# Altium PCB 10515.0501_主板(8拼版)_V1.0-20200907.PcbDoc (part 1 of 6)
Units mm, origin at the board's own origin, x right, y up, seen from the top; angles counter-clockwise.
Board outline 229.4 x 126.82 mm, 2 copper layers (Top Layer, Bottom Layer); 560 components, 0 nets, 2350 pads, 1248 vias.
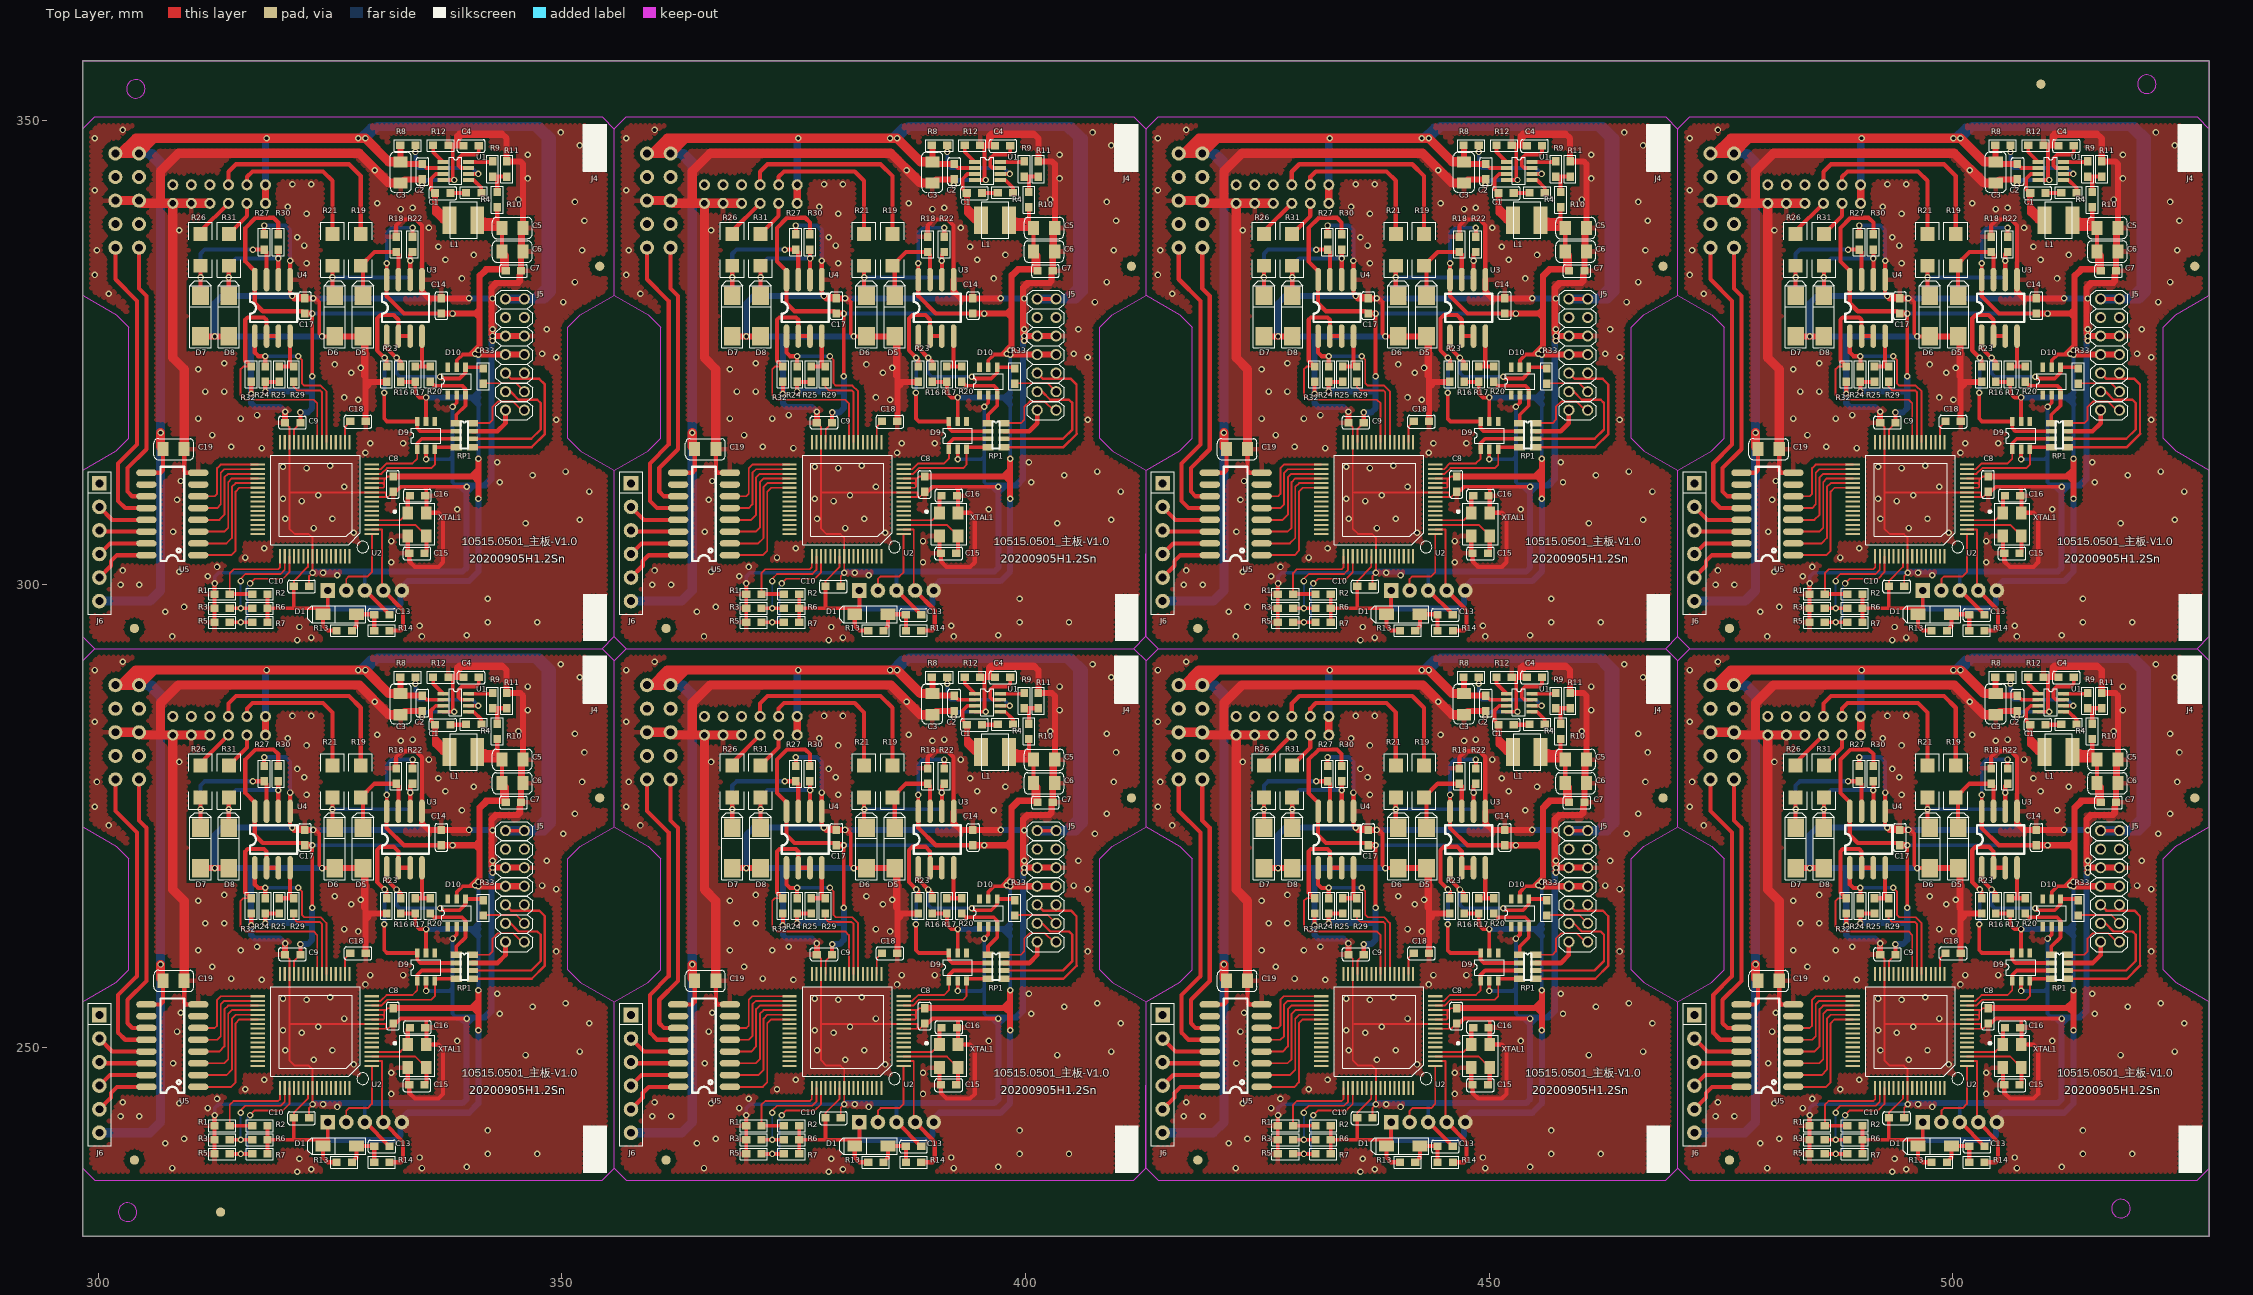
[diagram p0: Top Layer view]
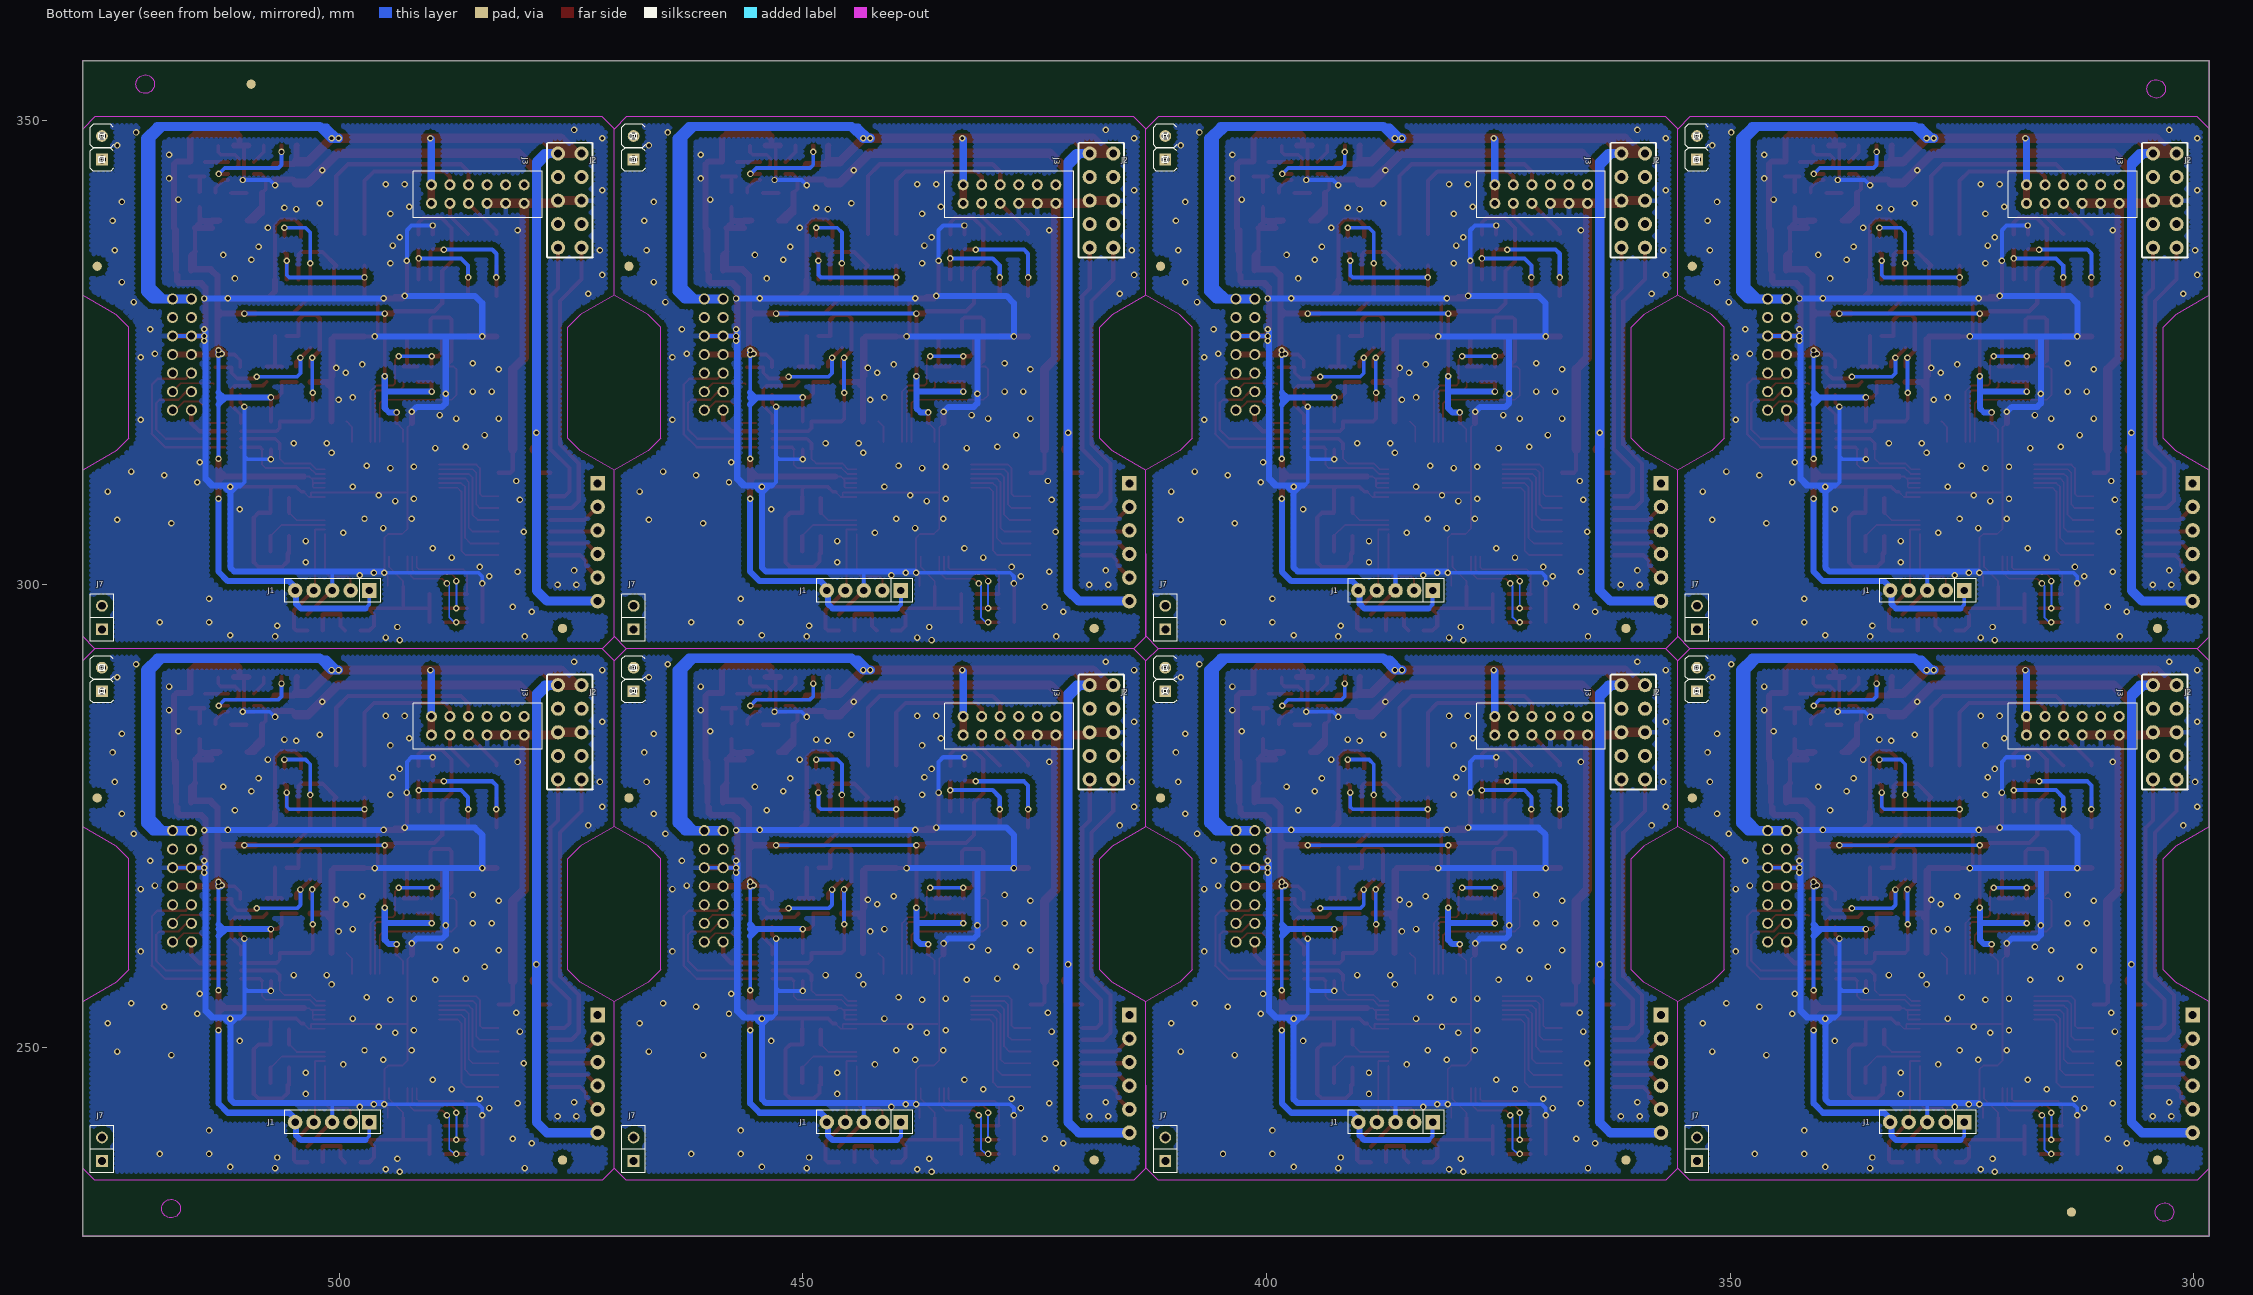
[diagram p1: Bottom Layer view, seen from below]

## Layer stack, top to bottom
Top Layer: signal copper 0.0356
Dielectric: dielectric 0.32, FR-4, Dk 4.8
Bottom Layer: signal copper 0.0356

## Board outline
298.301,356.489 527.703,356.489 527.7,229.665 298.299,229.665 298.301,356.489

## Design rules (kind name [scope] priority, off if disabled: settings)
Clearance [All] p1: gap=0.254
PolygonConnect [All] p1: connectstyle=Relief reliefconductorwidth=0.254 reliefentries=4 polygonreliefangle="90 Angle"
RoutingVias [All] p1: holewidth=0.711 width=1.27 viastyle="Through Hole" minholewidth=0.711 minwidth=1.27 maxholewidth=0.711 maxwidth=1.27
SilkscreenOverComponentPads [All] p1: minsilkscreentomaskgap=0.254
SolderMaskExpansion [All] p1: expansion=0.102
Width [All] p1: maxlimit=0.254 minlimit=0.254 preferedwidth=0.254
27 further rules are at their usual default settings.

## Components (designator, comment, footprint, x,y, rotation, side; value= is the part's Value field where it differs from the comment)
C1 "0.1uF/0603" CAP/SMT/0603C 337.947,342.259 r180 top
C1 "0.1uF/0603" CAP/SMT/0603C 395.297,342.259 r180 top
C1 "0.1uF/0603" CAP/SMT/0603C 452.647,342.259 r180 top
C1 "0.1uF/0603" CAP/SMT/0603C 509.997,342.259 r180 top
C1 "0.1uF/0603" CAP/SMT/0603C 337.947,284.909 r180 top
C1 "0.1uF/0603" CAP/SMT/0603C 395.297,284.909 r180 top
C1 "0.1uF/0603" CAP/SMT/0603C 452.647,284.909 r180 top
C1 "0.1uF/0603" CAP/SMT/0603C 509.997,284.909 r180 top
C2 "0.1uF/0603" CAP/SMT/0603C 334.899,345.307 r270 top
C2 "0.1uF/0603" CAP/SMT/0603C 392.249,345.307 r270 top
C2 "0.1uF/0603" CAP/SMT/0603C 449.599,345.307 r270 top
C2 "0.1uF/0603" CAP/SMT/0603C 506.949,345.307 r270 top
C2 "0.1uF/0603" CAP/SMT/0603C 334.899,287.957 r270 top
C2 "0.1uF/0603" CAP/SMT/0603C 392.249,287.957 r270 top
C2 "0.1uF/0603" CAP/SMT/0603C 449.599,287.957 r270 top
C2 "0.1uF/0603" CAP/SMT/0603C 506.949,287.957 r270 top
C3 "22uF/0805" CAP/SMT/0805C 332.613,343.275 r90 top
C3 "22uF/0805" CAP/SMT/0805C 389.963,343.275 r90 top
C3 "22uF/0805" CAP/SMT/0805C 447.313,343.275 r90 top
C3 "22uF/0805" CAP/SMT/0805C 504.663,343.275 r90 top
C3 "22uF/0805" CAP/SMT/0805C 332.613,285.925 r90 top
C3 "22uF/0805" CAP/SMT/0805C 389.963,285.925 r90 top
C3 "22uF/0805" CAP/SMT/0805C 447.313,285.925 r90 top
C3 "22uF/0805" CAP/SMT/0805C 504.663,285.925 r90 top
C4 "1nF/0603" CAP/SMT/0603C 340.995,347.362 r180 top
C4 "1nF/0603" CAP/SMT/0603C 398.345,347.362 r180 top
C4 "1nF/0603" CAP/SMT/0603C 455.695,347.362 r180 top
C4 "1nF/0603" CAP/SMT/0603C 513.045,347.362 r180 top
C4 "1nF/0603" CAP/SMT/0603C 340.995,290.012 r180 top
C4 "1nF/0603" CAP/SMT/0603C 398.345,290.012 r180 top
C4 "1nF/0603" CAP/SMT/0603C 455.695,290.012 r180 top
C4 "1nF/0603" CAP/SMT/0603C 513.045,290.012 r180 top
C5 "22uF/0805" CAP/SMT/0805C 345.821,338.449 r180 top
C5 "22uF/0805" CAP/SMT/0805C 403.171,338.449 r180 top
C5 "22uF/0805" CAP/SMT/0805C 460.521,338.449 r180 top
C5 "22uF/0805" CAP/SMT/0805C 517.871,338.449 r180 top
C5 "22uF/0805" CAP/SMT/0805C 345.821,281.099 r180 top
C5 "22uF/0805" CAP/SMT/0805C 403.171,281.099 r180 top
C5 "22uF/0805" CAP/SMT/0805C 460.521,281.099 r180 top
C5 "22uF/0805" CAP/SMT/0805C 517.871,281.099 r180 top
C6 "22uF/0805" CAP/SMT/0805C 345.821,335.909 r180 top
C6 "22uF/0805" CAP/SMT/0805C 403.171,335.909 r180 top
C6 "22uF/0805" CAP/SMT/0805C 460.521,335.909 r180 top
C6 "22uF/0805" CAP/SMT/0805C 517.871,335.909 r180 top
C6 "22uF/0805" CAP/SMT/0805C 345.821,278.559 r180 top
C6 "22uF/0805" CAP/SMT/0805C 403.171,278.559 r180 top
C6 "22uF/0805" CAP/SMT/0805C 460.521,278.559 r180 top
C6 "22uF/0805" CAP/SMT/0805C 517.871,278.559 r180 top
C7 "0.1uF/0603" CAP/SMT/0603C 345.567,333.877 r180 top
C7 "0.1uF/0603" CAP/SMT/0603C 402.917,333.877 r180 top
C7 "0.1uF/0603" CAP/SMT/0603C 460.267,333.877 r180 top
C7 "0.1uF/0603" CAP/SMT/0603C 517.617,333.877 r180 top
C7 "0.1uF/0603" CAP/SMT/0603C 345.567,276.527 r180 top
C7 "0.1uF/0603" CAP/SMT/0603C 402.917,276.527 r180 top
C7 "0.1uF/0603" CAP/SMT/0603C 460.267,276.527 r180 top
C7 "0.1uF/0603" CAP/SMT/0603C 517.617,276.527 r180 top
C8 "0.1uF/0603" CAP/SMT/0603C 331.851,310.001 r90 top
C8 "0.1uF/0603" CAP/SMT/0603C 389.201,310.001 r90 top
C8 "0.1uF/0603" CAP/SMT/0603C 446.551,310.001 r90 top
C8 "0.1uF/0603" CAP/SMT/0603C 503.901,310.001 r90 top
C8 "0.1uF/0603" CAP/SMT/0603C 331.851,252.651 r90 top
C8 "0.1uF/0603" CAP/SMT/0603C 389.201,252.651 r90 top
C8 "0.1uF/0603" CAP/SMT/0603C 446.551,252.651 r90 top
C8 "0.1uF/0603" CAP/SMT/0603C 503.901,252.651 r90 top
C9 "0.1uF/0603" CAP/SMT/0603C 320.167,317.367 r0 top
C9 "0.1uF/0603" CAP/SMT/0603C 377.517,317.367 r0 top
C9 "0.1uF/0603" CAP/SMT/0603C 434.867,317.367 r0 top
C9 "0.1uF/0603" CAP/SMT/0603C 492.217,317.367 r0 top
C9 "0.1uF/0603" CAP/SMT/0603C 320.167,260.017 r0 top
C9 "0.1uF/0603" CAP/SMT/0603C 377.517,260.017 r0 top
C9 "0.1uF/0603" CAP/SMT/0603C 434.867,260.017 r0 top
C9 "0.1uF/0603" CAP/SMT/0603C 492.217,260.017 r0 top
C10 "1uF/0603" CAP/SMT/0603C 322.707,299.841 r180 top
C10 "1uF/0603" CAP/SMT/0603C 380.057,299.841 r180 top
C10 "1uF/0603" CAP/SMT/0603C 437.407,299.841 r180 top
C10 "1uF/0603" CAP/SMT/0603C 494.757,299.841 r180 top
C10 "1uF/0603" CAP/SMT/0603C 322.707,242.491 r180 top
C10 "1uF/0603" CAP/SMT/0603C 380.057,242.491 r180 top
C10 "1uF/0603" CAP/SMT/0603C 437.407,242.491 r180 top
C10 "1uF/0603" CAP/SMT/0603C 494.757,242.491 r180 top
C13 "0.1uF/0603" CAP/SMT/0603C 331.373,296.777 r180 top
C13 "0.1uF/0603" CAP/SMT/0603C 388.723,296.777 r180 top
C13 "0.1uF/0603" CAP/SMT/0603C 446.073,296.777 r180 top
C13 "0.1uF/0603" CAP/SMT/0603C 503.423,296.777 r180 top
C13 "0.1uF/0603" CAP/SMT/0603C 331.373,239.427 r180 top
C13 "0.1uF/0603" CAP/SMT/0603C 388.723,239.427 r180 top
C13 "0.1uF/0603" CAP/SMT/0603C 446.073,239.427 r180 top
C13 "0.1uF/0603" CAP/SMT/0603C 503.423,239.427 r180 top
C14 "0.1uF/0603" CAP/SMT/0603C 336.931,330.829 r270 top
C14 "0.1uF/0603" CAP/SMT/0603C 394.281,330.829 r270 top
C14 "0.1uF/0603" CAP/SMT/0603C 451.631,330.829 r270 top
C14 "0.1uF/0603" CAP/SMT/0603C 508.981,330.829 r270 top
C14 "0.1uF/0603" CAP/SMT/0603C 336.931,273.479 r270 top
C14 "0.1uF/0603" CAP/SMT/0603C 394.281,273.479 r270 top
C14 "0.1uF/0603" CAP/SMT/0603C 451.631,273.479 r270 top
C14 "0.1uF/0603" CAP/SMT/0603C 508.981,273.479 r270 top
C15 "20pF/0603" CAP/SMT/0603C 335.153,303.397 r180 top
C15 "20pF/0603" CAP/SMT/0603C 392.503,303.397 r180 top
C15 "20pF/0603" CAP/SMT/0603C 449.853,303.397 r180 top
C15 "20pF/0603" CAP/SMT/0603C 507.203,303.397 r180 top
C15 "20pF/0603" CAP/SMT/0603C 335.153,246.047 r180 top
C15 "20pF/0603" CAP/SMT/0603C 392.503,246.047 r180 top
C15 "20pF/0603" CAP/SMT/0603C 449.853,246.047 r180 top
C15 "20pF/0603" CAP/SMT/0603C 507.203,246.047 r180 top
C16 "20pF/0603" CAP/SMT/0603C 333.629,309.493 r0 top
C16 "20pF/0603" CAP/SMT/0603C 390.979,309.493 r0 top
C16 "20pF/0603" CAP/SMT/0603C 448.329,309.493 r0 top
C16 "20pF/0603" CAP/SMT/0603C 505.679,309.493 r0 top
C16 "20pF/0603" CAP/SMT/0603C 333.629,252.143 r0 top
C16 "20pF/0603" CAP/SMT/0603C 390.979,252.143 r0 top
C16 "20pF/0603" CAP/SMT/0603C 448.329,252.143 r0 top
C16 "20pF/0603" CAP/SMT/0603C 505.679,252.143 r0 top
C17 "0.1uF/0603" CAP/SMT/0603C 322.199,330.829 r270 top
C17 "0.1uF/0603" CAP/SMT/0603C 379.549,330.829 r270 top
C17 "0.1uF/0603" CAP/SMT/0603C 436.899,330.829 r270 top
C17 "0.1uF/0603" CAP/SMT/0603C 494.249,330.829 r270 top
C17 "0.1uF/0603" CAP/SMT/0603C 322.199,273.479 r270 top
C17 "0.1uF/0603" CAP/SMT/0603C 379.549,273.479 r270 top
C17 "0.1uF/0603" CAP/SMT/0603C 436.899,273.479 r270 top
C17 "0.1uF/0603" CAP/SMT/0603C 494.249,273.479 r270 top
C18 "0.1uF/0603" CAP/SMT/0603C 328.803,317.621 r180 top
C18 "0.1uF/0603" CAP/SMT/0603C 386.153,317.621 r180 top
C18 "0.1uF/0603" CAP/SMT/0603C 443.503,317.621 r180 top
C18 "0.1uF/0603" CAP/SMT/0603C 500.853,317.621 r180 top
C18 "0.1uF/0603" CAP/SMT/0603C 328.803,260.271 r180 top
C18 "0.1uF/0603" CAP/SMT/0603C 386.153,260.271 r180 top
C18 "0.1uF/0603" CAP/SMT/0603C 443.503,260.271 r180 top
C18 "0.1uF/0603" CAP/SMT/0603C 500.853,260.271 r180 top
C19 "22uF/0805" CAP/SMT/0805C 306.959,314.573 r0 top
C19 "22uF/0805" CAP/SMT/0805C 364.309,314.573 r0 top
C19 "22uF/0805" CAP/SMT/0805C 421.659,314.573 r0 top
C19 "22uF/0805" CAP/SMT/0805C 479.009,314.573 r0 top
C19 "22uF/0805" CAP/SMT/0805C 306.959,257.223 r0 top
C19 "22uF/0805" CAP/SMT/0805C 364.309,257.223 r0 top
C19 "22uF/0805" CAP/SMT/0805C 421.659,257.223 r0 top
C19 "22uF/0805" CAP/SMT/0805C 479.009,257.223 r0 top
D1 "1N4148/SOD-123" D/SMT/SOD-123 326.039,296.777 r0 top
D1 "1N4148/SOD-123" D/SMT/SOD-123 383.389,296.777 r0 top
D1 "1N4148/SOD-123" D/SMT/SOD-123 440.739,296.777 r0 top
D1 "1N4148/SOD-123" D/SMT/SOD-123 498.089,296.777 r0 top
D1 "1N4148/SOD-123" D/SMT/SOD-123 326.039,239.427 r0 top
D1 "1N4148/SOD-123" D/SMT/SOD-123 383.389,239.427 r0 top
D1 "1N4148/SOD-123" D/SMT/SOD-123 440.739,239.427 r0 top
D1 "1N4148/SOD-123" D/SMT/SOD-123 498.089,239.427 r0 top
D5 "SMF6.5CA/SOD-123" D/SMT/SOD123 328.549,331.337 r270 top
D5 "SMF6.5CA/SOD-123" D/SMT/SOD123 385.899,331.337 r270 top
D5 "SMF6.5CA/SOD-123" D/SMT/SOD123 443.249,331.337 r270 top
D5 "SMF6.5CA/SOD-123" D/SMT/SOD123 500.599,331.337 r270 top
D5 "SMF6.5CA/SOD-123" D/SMT/SOD123 328.549,273.987 r270 top
D5 "SMF6.5CA/SOD-123" D/SMT/SOD123 385.899,273.987 r270 top
D5 "SMF6.5CA/SOD-123" D/SMT/SOD123 443.249,273.987 r270 top
D5 "SMF6.5CA/SOD-123" D/SMT/SOD123 500.599,273.987 r270 top
D6 "SMF6.5CA/SOD-123" D/SMT/SOD123 325.501,331.337 r270 top
D6 "SMF6.5CA/SOD-123" D/SMT/SOD123 382.851,331.337 r270 top
D6 "SMF6.5CA/SOD-123" D/SMT/SOD123 440.201,331.337 r270 top
D6 "SMF6.5CA/SOD-123" D/SMT/SOD123 497.551,331.337 r270 top
D6 "SMF6.5CA/SOD-123" D/SMT/SOD123 325.501,273.987 r270 top
D6 "SMF6.5CA/SOD-123" D/SMT/SOD123 382.851,273.987 r270 top
D6 "SMF6.5CA/SOD-123" D/SMT/SOD123 440.201,273.987 r270 top
D6 "SMF6.5CA/SOD-123" D/SMT/SOD123 497.551,273.987 r270 top
D7 "SMF6.5CA/SOD-123" D/SMT/SOD123 311.023,331.337 r270 top
D7 "SMF6.5CA/SOD-123" D/SMT/SOD123 368.373,331.337 r270 top
D7 "SMF6.5CA/SOD-123" D/SMT/SOD123 425.723,331.337 r270 top
D7 "SMF6.5CA/SOD-123" D/SMT/SOD123 483.073,331.337 r270 top
D7 "SMF6.5CA/SOD-123" D/SMT/SOD123 311.023,273.987 r270 top
D7 "SMF6.5CA/SOD-123" D/SMT/SOD123 368.373,273.987 r270 top
D7 "SMF6.5CA/SOD-123" D/SMT/SOD123 425.723,273.987 r270 top
D7 "SMF6.5CA/SOD-123" D/SMT/SOD123 483.073,273.987 r270 top
D8 "SMF6.5CA/SOD-123" D/SMT/SOD123 314.071,331.337 r270 top
D8 "SMF6.5CA/SOD-123" D/SMT/SOD123 371.421,331.337 r270 top
D8 "SMF6.5CA/SOD-123" D/SMT/SOD123 428.771,331.337 r270 top
D8 "SMF6.5CA/SOD-123" D/SMT/SOD123 486.121,331.337 r270 top
D8 "SMF6.5CA/SOD-123" D/SMT/SOD123 314.071,273.987 r270 top
D8 "SMF6.5CA/SOD-123" D/SMT/SOD123 371.421,273.987 r270 top
D8 "SMF6.5CA/SOD-123" D/SMT/SOD123 428.771,273.987 r270 top
D8 "SMF6.5CA/SOD-123" D/SMT/SOD123 486.121,273.987 r270 top
D9 "SR05-4B/SOT-363" TSOT-6L 334.391,314.573 r90 top
D9 "SR05-4B/SOT-363" TSOT-6L 391.741,314.573 r90 top
D9 "SR05-4B/SOT-363" TSOT-6L 449.091,314.573 r90 top
D9 "SR05-4B/SOT-363" TSOT-6L 506.441,314.573 r90 top
D9 "SR05-4B/SOT-363" TSOT-6L 334.391,257.223 r90 top
D9 "SR05-4B/SOT-363" TSOT-6L 391.741,257.223 r90 top
D9 "SR05-4B/SOT-363" TSOT-6L 449.091,257.223 r90 top
D9 "SR05-4B/SOT-363" TSOT-6L 506.441,257.223 r90 top
D10 "SR05-4B/SOT-363" TSOT-6L 337.693,320.415 r90 top
D10 "SR05-4B/SOT-363" TSOT-6L 395.043,320.415 r90 top
D10 "SR05-4B/SOT-363" TSOT-6L 452.393,320.415 r90 top
D10 "SR05-4B/SOT-363" TSOT-6L 509.743,320.415 r90 top
D10 "SR05-4B/SOT-363" TSOT-6L 337.693,263.065 r90 top
D10 "SR05-4B/SOT-363" TSOT-6L 395.043,263.065 r90 top
D10 "SR05-4B/SOT-363" TSOT-6L 452.393,263.065 r90 top
D10 "SR05-4B/SOT-363" TSOT-6L 509.743,263.065 r90 top
J1 "CON/DIP/1X5PIN_2MM" CON/DIP/1×5PIN/2.0MM 324.739,299.333 r0 bottom
J1 "CON/DIP/1X5PIN_2MM" CON/DIP/1×5PIN/2.0MM 382.089,299.333 r0 bottom
J1 "CON/DIP/1X5PIN_2MM" CON/DIP/1×5PIN/2.0MM 439.439,299.333 r0 bottom
J1 "CON/DIP/1X5PIN_2MM" CON/DIP/1×5PIN/2.0MM 496.789,299.333 r0 bottom
J1 "CON/DIP/1X5PIN_2MM" CON/DIP/1×5PIN/2.0MM 324.739,241.983 r0 bottom
J1 "CON/DIP/1X5PIN_2MM" CON/DIP/1×5PIN/2.0MM 382.089,241.983 r0 bottom
J1 "CON/DIP/1X5PIN_2MM" CON/DIP/1×5PIN/2.0MM 439.439,241.983 r0 bottom
J1 "CON/DIP/1X5PIN_2MM" CON/DIP/1×5PIN/2.0MM 496.789,241.983 r0 bottom
J2 "CON/2X5PIN" CON/DIP/2X5PIN/2.54MM 304.373,346.469 r180 bottom
J2 "CON/2X5PIN" CON/DIP/2X5PIN/2.54MM 361.723,346.469 r180 bottom
J2 "CON/2X5PIN" CON/DIP/2X5PIN/2.54MM 419.073,346.469 r180 bottom
J2 "CON/2X5PIN" CON/DIP/2X5PIN/2.54MM 476.423,346.469 r180 bottom
J2 "CON/2X5PIN" CON/DIP/2X5PIN/2.54MM 304.373,289.119 r180 bottom
J2 "CON/2X5PIN" CON/DIP/2X5PIN/2.54MM 361.723,289.119 r180 bottom
J2 "CON/2X5PIN" CON/DIP/2X5PIN/2.54MM 419.073,289.119 r180 bottom
J2 "CON/2X5PIN" CON/DIP/2X5PIN/2.54MM 476.423,289.119 r180 bottom
J3 "CON/DIP/2X6PIN_WAFER" CON/DIP/2X6PIN/2.0MM 308.026,343.094 r270 bottom
J3 "CON/DIP/2X6PIN_WAFER" CON/DIP/2X6PIN/2.0MM 365.376,343.094 r270 bottom
J3 "CON/DIP/2X6PIN_WAFER" CON/DIP/2X6PIN/2.0MM 422.726,343.094 r270 bottom
J3 "CON/DIP/2X6PIN_WAFER" CON/DIP/2X6PIN/2.0MM 480.076,343.094 r270 bottom
J3 "CON/DIP/2X6PIN_WAFER" CON/DIP/2X6PIN/2.0MM 308.026,285.744 r270 bottom
J3 "CON/DIP/2X6PIN_WAFER" CON/DIP/2X6PIN/2.0MM 365.376,285.744 r270 bottom
J3 "CON/DIP/2X6PIN_WAFER" CON/DIP/2X6PIN/2.0MM 422.726,285.744 r270 bottom
J3 "CON/DIP/2X6PIN_WAFER" CON/DIP/2X6PIN/2.0MM 480.076,285.744 r270 bottom
J4 "1X2PIN_2.54MM" CON/DIP/1×2PIN/2.54MM 353.568,345.815 r180 top
J4 "1X2PIN_2.54MM" CON/DIP/1×2PIN/2.54MM 410.918,345.815 r180 top
J4 "1X2PIN_2.54MM" CON/DIP/1×2PIN/2.54MM 468.268,345.815 r180 top
J4 "1X2PIN_2.54MM" CON/DIP/1×2PIN/2.54MM 525.618,345.815 r180 top
J4 "1X2PIN_2.54MM" CON/DIP/1×2PIN/2.54MM 353.568,288.465 r180 top
J4 "1X2PIN_2.54MM" CON/DIP/1×2PIN/2.54MM 410.918,288.465 r180 top
J4 "1X2PIN_2.54MM" CON/DIP/1×2PIN/2.54MM 468.268,288.465 r180 top
J4 "1X2PIN_2.54MM" CON/DIP/1×2PIN/2.54MM 525.618,288.465 r180 top
J5 "CON/2X7PIN" CON/DIP/2X7PIN/2.0MM 343.916,330.782 r0 top
J5 "CON/2X7PIN" CON/DIP/2X7PIN/2.0MM 401.266,330.782 r0 top
J5 "CON/2X7PIN" CON/DIP/2X7PIN/2.0MM 458.616,330.782 r0 top
J5 "CON/2X7PIN" CON/DIP/2X7PIN/2.0MM 515.966,330.782 r0 top
J5 "CON/2X7PIN" CON/DIP/2X7PIN/2.0MM 343.916,273.432 r0 top
J5 "CON/2X7PIN" CON/DIP/2X7PIN/2.0MM 401.266,273.432 r0 top
J5 "CON/2X7PIN" CON/DIP/2X7PIN/2.0MM 458.616,273.432 r0 top
J5 "CON/2X7PIN" CON/DIP/2X7PIN/2.0MM 515.966,273.432 r0 top